# Altium PCB PCB.PcbDoc (part 2 of 4)
Units mm, origin at the board's own origin, x right, y up, seen from the top; angles counter-clockwise.
Board outline 100.83 x 35.45 mm, 6 copper layers (Top Layer, Mid Layer 1, Mid Layer 2, Mid Layer 3, Mid Layer 4, Bottom Layer), stack 1.032 mm thick; 283 components, 227 nets, 1174 pads, 1065 vias.
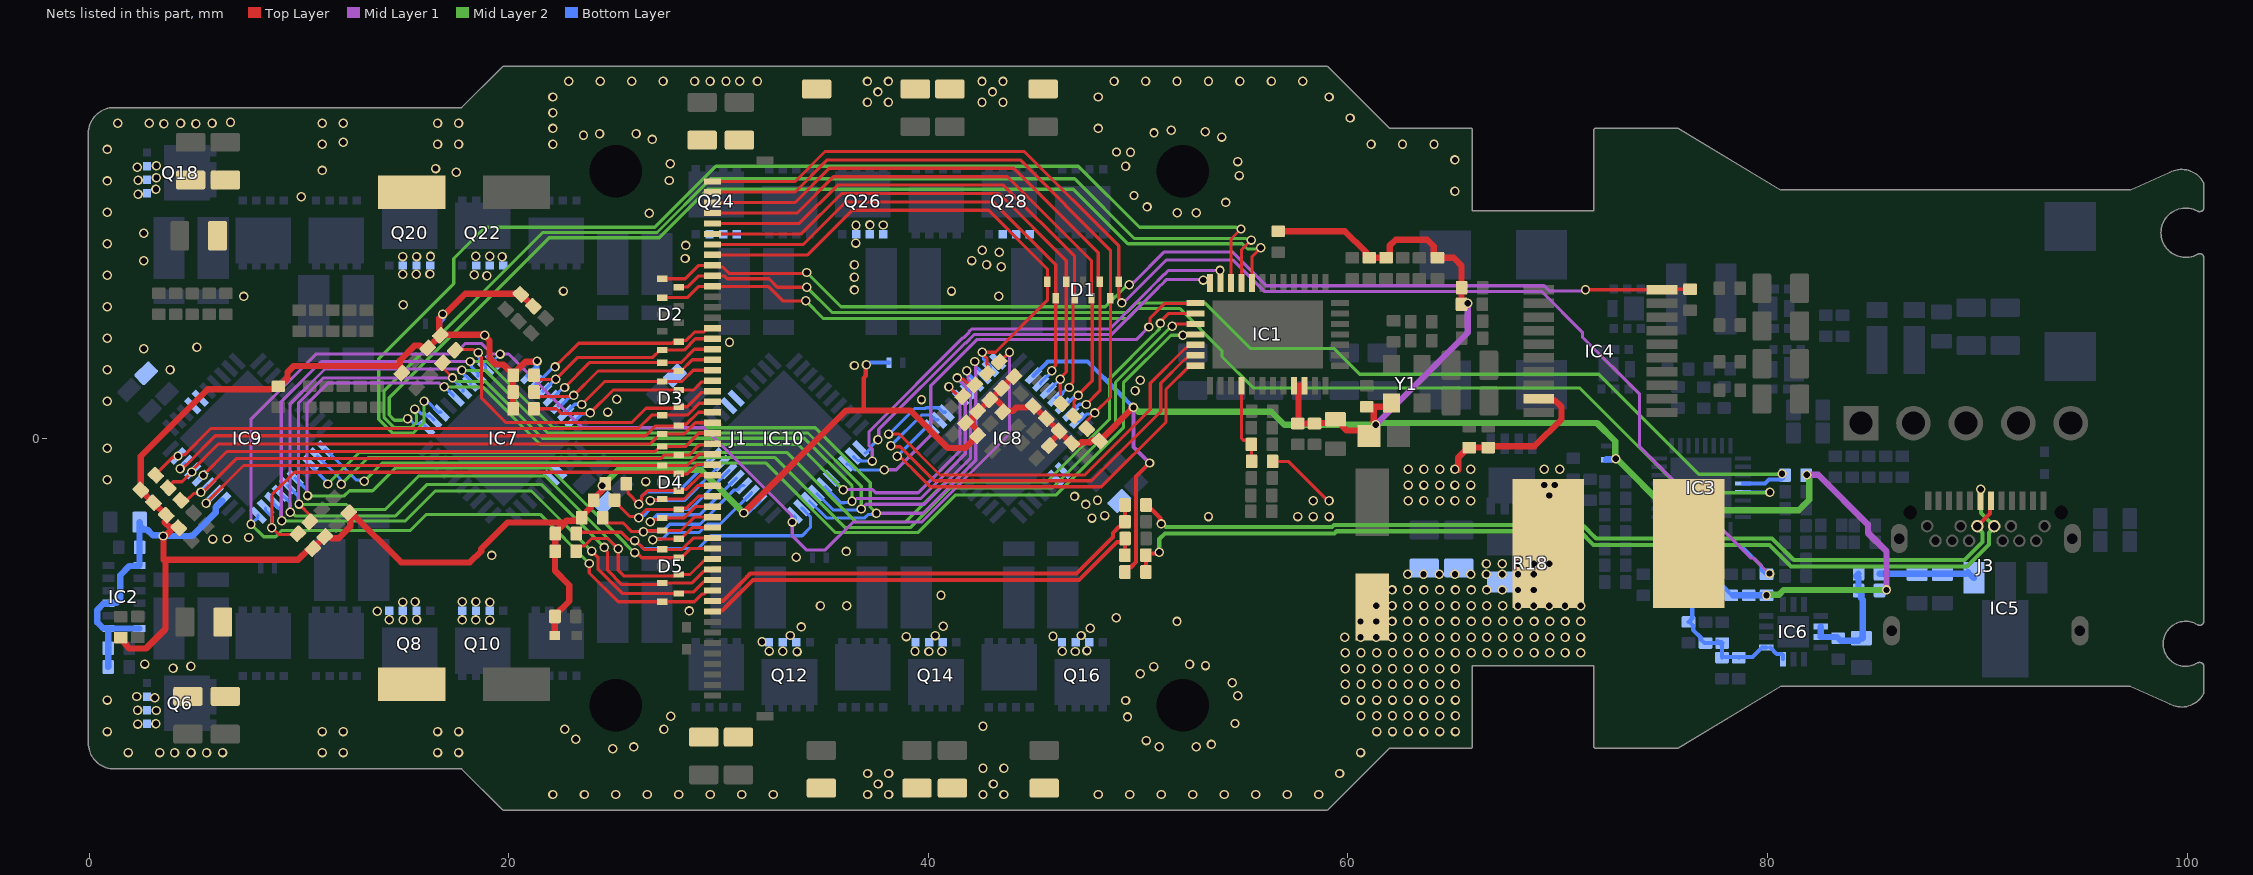
[diagram p6: the nets of this part, all layers, seen from the top]

## Via types
v1: diameter 0.45, hole 0.3, Top Layer to Bottom Layer, tented both sides, 1064 vias
v2: diameter 0.45, hole 0.3, Top Layer to Bottom Layer, tented top, 1 vias

## Nets (pads, with @x,y where several pads share a name; then routed paths per layer and width w, separated by ;. In a path a pad name is that pad's centre, name@x,y a point inside that pad or via, vN(x,y) a via of type N, cw(c..) or ccw(c..) an arc to the next point about the centre after c; other vN are vias at no path point)
+3V3: C4.2 C5.2 C6.2 C7.2 C8.2 C9.1 C11.2 C12.2 C13.2 C14.1 C76.2 C77.2 C84.2 C88.2 C92.2 C105.2 D8.1 FB2.1 FB3.1 FB4.1 FB5.1 IC1.28 IC1.29 IC2.1 IC2.3 IC2.7 IC2.12 IC6.3 IC6.4 IC7.33 IC8.33 IC9.33 IC10.33 R1.2 R2.2 R3.2 R14.2 R15.2 R27.2 R35.2 R36.2 R37.2 R38.2 R43.2 R44.2 R49.2 R51.2 R52.2 R53.2 R54.2 R57.2 R58.2 R59.2 R60.2 R61.2 R62.2 R67.2 R68.2 R69.2 R70.2 R71.2 R72.2 R73.2 R74.2 R79.2 R80.2 R81.2 R82.2 R83.2 R84.2 R95.2 R96.2 R97.2 R98.2 R99.2 R100.2 RT1.2 RT2.2 RT5.2 Y1.4 | length 238.4
  Top Layer w0.2: 36.913,1.325 36.913,2.877 37.013,2.977 37.013,3.471 v1(37.045,3.502) ; R54.2@49.368,-6.377 49.368,-6.327 49.543,-6.152 49.643,-6.152 49.893,-5.902 49.893,-1.826 50.537,-1.182 v1(50.54,-1.182)
  Top Layer w0.3: R15.2@1.495,-9.503 1.545,-9.503 1.67,-9.628 1.67,-9.743 1.73,-9.804 1.73,-9.844 1.909,-10.023 2.701,-10.023 3.628,-9.096 3.628,-5.789 ; R79.2@2.453,-2.468 2.453,-2.291 2.418,-2.256 2.453,-2.22 2.453,-0.864 5.649,2.331 8.655,2.331 8.681,2.358 8.88,2.358 C92.2@9.005,2.483 ; R79.2@2.453,-2.468 3.055,-3.069 R80.2@3.056,-3.069 R81.2@3.659,-3.67 ; v1(3.527,-4.659) 3.556,-4.631 3.654,-4.631 3.892,-4.392 ; 3.537,-5.789 v1@3.537,-4.669 ; 3.567,-5.789 9.945,-5.789 10.475,-5.259 R84.2@10.652,-5.259 ; R81.2@3.659,-3.67 3.694,-3.705 3.694,-3.882 3.579,-3.997 3.579,-3.999 3.85,-4.27 3.886,-4.235 4.226,-4.235 R82.2@4.261,-4.27 ; C92.2@9.055,2.483 9.444,2.872 9.444,3.154 9.73,3.439 14.77,3.439 14.895,3.314 FB2.1@14.895,3.106 14.931,3.142 FB2.1@14.931,3.318 ; R84.2@10.652,-5.259 R83.2@11.222,-4.688 ; R83.2@11.222,-4.688 11.257,-4.653 11.434,-4.653 11.549,-4.768 11.882,-4.768 12.443,-4.208 12.443,-3.875 12.325,-3.758 12.325,-3.581 FB4.1@12.361,-3.546 12.488,-3.546 14.861,-5.919 18.143,-5.919 18.677,-5.386 18.677,-5.276 19.9,-4.053 19.904,-4.053 19.942,-4.015 22.691,-4.015 ; 14.794,3.455 14.794,3.703 15.512,4.421 15.76,4.421 15.917,4.264 16.094,4.264 R61.2@16.129,4.299 ; R61.2@16.249,4.258 16.249,4.42 16.729,4.9 R62.2@16.729,4.902 R62.2@16.764,4.937 ; v1@18.839,4.9 18.839,4.881 19.078,4.642 19.078,3.807 19.371,3.514 19.738,3.514 R59.2@20.197,3.055 ; v1(18.849,4.911) 18.823,4.937 R62.2@16.764,4.937 ; R57.2@20.197,1.405 R58.2@20.197,2.205 R59.2@20.197,3.005 R59.2@20.197,3.055 ; C84.2@20.529,6.89 17.917,6.89 16.896,5.868 v1(16.846,5.918) 16.846,5.878 16.683,5.716 16.683,5.195 16.764,5.114 R62.2@16.764,4.937 ; C84.2@20.565,6.854 20.581,6.854 R60.2@21.148,6.288 ; v1(21.342,3.68) 21.313,3.651 20.793,3.651 R59.2@20.197,3.055 ; D8.1@22.175,-9.4 22.186,-9.389 22.186,-8.506 R14.2@22.197,-8.495 22.197,-8.445 22.879,-7.763 22.879,-7.003 22.203,-6.327 R99.2@22.203,-5.392 22.208,-5.387 22.208,-4.548 R100.2@22.214,-4.543 22.214,-4.493 22.745,-3.962 ; 22.745,-3.932 23.344,-3.932 23.469,-3.807 R97.2@23.469,-3.787 ; R97.2@23.469,-3.737 23.909,-3.297 23.909,-3.074 R96.2@24.034,-2.949 24.034,-2.899 24.474,-2.459 R95.2@24.474,-2.291 ; v1(24.449,-2.259) 24.507,-2.259 R95.2@24.599,-2.166 ; v1(31.202,-3.563) 36.09,1.325 36.913,1.325 39.135,1.325 40.925,-0.465 41.757,-0.465 42.383,0.161 42.383,0.338 42.106,0.616 42.106,0.968 ; FB3.1@41.767,0.736 41.825,0.736 R72.2@42.923,1.834 R72.2@43.072,1.983 ; R73.2@43.466,2.348 R73.2@43.502,2.384 43.086,1.968 43.583,1.471 C105.2@43.583,1.295 ; R73.2@43.487,2.398 44.022,2.933 R74.2@44.08,2.933 ; C105.2@43.548,1.259 C105.2@43.583,1.295 ; R70.2@44.961,1.569 44.784,1.569 44.683,1.467 44.188,1.467 44.015,1.295 C105.2@43.583,1.295 ; R70.2@44.996,1.533 45.027,1.533 R67.2@46.808,-0.248 ; FB5.1@45.755,-0.348 45.755,-0.238 R68.2@46.228,0.234 ; R67.2@46.839,-0.248 46.874,-0.283 47.193,-0.283 47.288,-0.189 47.452,-0.189 ; 47.543,-0.192 47.708,-0.192 47.802,-0.098 48.121,-0.098 C88.2@48.157,-0.133 49.758,1.468 v1(49.771,1.468) ; C5.2@56.676,9.871 59.853,9.871 60.84,8.884 60.84,8.728 R3.2@60.965,8.603 ; IC1.28@57.425,2.5 57.694,2.5 ; C7.2@57.605,0.703 C6.2@58.405,0.703 ; C7.2@57.64,0.703 57.64,2.215 IC1.29@57.81,2.385 ; IC1.29@57.925,2.225 57.925,2.269 IC1.29@57.81,2.385 ; C6.2@58.379,0.703 58.405,0.729 59.326,0.729 C8.2@59.469,0.872 ; C8.2@59.4,0.9 59.55,0.9 59.75,0.7 59.75,0.55 59.932,0.368 61.041,0.368 v1(61.318,0.646) ; C4.2@60.895,1.497 61.227,1.497 ; R3.2@61.015,8.603 R2.2@61.815,8.603 61.865,8.603 61.99,8.728 61.99,9.188 62.271,9.468 63.771,9.468 64.09,9.148 64.09,8.728 64.215,8.603 R1.2@64.265,8.603 65.036,8.603 65.412,8.227 65.412,6.385 R43.2@65.411,6.384 ; C9.1@61.073,0.23 61.318,0.475 v1(61.318,0.646) ; Y1.4@61.897,1.497 61.227,1.497 ; 57.694,2.5 IC1.29@57.81,2.385 ; 57.694,2.5 IC1.29@57.925,2.5 IC1.29@57.81,2.385 ; 61.227,1.497 61.233,1.491 61.233,0.771 61.318,0.686 v1(61.318,0.646)
  Mid Layer 1 w0.2: v1(49.771,1.468) 49.771,-0.412 v1(50.54,-1.182)
  Mid Layer 1 w0.3: v1(61.318,0.646) 65.71,5.037 v1(65.71,6.436) ; v1(81.87,-1.736) 82.411,-1.736 84.791,-4.115 84.791,-4.516 85.671,-5.395 v1(85.671,-7.232)
  Mid Layer 2 w0.3: v1(24.449,-2.259) 25.21,-1.498 29.136,-1.498 v1(31.202,-3.563) ; v1(49.771,1.468) 49.811,1.468 50.012,1.267 56.35,1.267 56.971,0.646 61.359,0.646 61.44,0.727 71.871,0.727 72.742,-0.144 72.742,-0.952 v1(72.771,-0.98) ; v1@72.804,-0.98 75.255,-3.432 81.49,-3.432 81.99,-2.931 81.99,-1.896 81.87,-1.776 v1(81.87,-1.736) ; v1(79.95,-7.49) 79.979,-7.461 80.546,-7.461 80.775,-7.232 v1(85.671,-7.232)
  Bottom Layer w0.2: v1(37.045,3.502) 37.112,3.502 37.225,3.615 38.1,3.615 38.115,3.6 RT1.2@38.125,3.6 ; IC8.33@45.007,2.972 45.007,2.978 45.691,3.662 47.577,3.662 49.071,2.168 v1(49.771,1.468) ; R38.2@76.592,-7.49 76.522,-7.49 R38.2@76.411,-7.601 ; R53.2@77.615,-9.764 76.99,-9.764 76.815,-9.589 76.815,-9.493 76.455,-9.133 76.455,-8.933 76.28,-8.758 R51.2@76.23,-8.758 76.236,-8.758 76.411,-8.583 R38.2@76.411,-7.601 ; R53.2@77.615,-9.763 77.615,-9.664 R53.2@77.665,-9.714 ; C76.2@77.83,-10.458 C76.2@77.835,-10.453 ; R37.2@78.35,-7.49 78.3,-7.49 77.82,-7.01 76.864,-7.01 76.675,-7.199 76.675,-7.315 76.4,-7.59 R38.2@76.411,-7.601 ; C77.2@78.63,-10.458 78.635,-10.453 C77.2@78.635,-10.435 ; IC6.4@79.935,-9.979 79.735,-9.979 79.279,-10.435 C77.2@78.635,-10.435 ; IC6.4@80.135,-9.979 80.435,-10.279 80.685,-10.279 80.735,-10.329 IC6.3@80.735,-10.529 ; R53.2@77.665,-9.714 77.79,-9.714 R53.2@77.84,-9.764 R53.2@77.778,-9.826 ; R53.2@77.665,-9.714 R53.2@77.778,-9.826 ; R53.2@77.778,-9.826 77.835,-9.883 C76.2@77.835,-10.453 ; C76.2@77.835,-10.453 77.853,-10.435 C77.2@78.635,-10.435
  Bottom Layer w0.3: C12.2@0.897,-10.905 0.904,-10.898 0.904,-10.005 0.904,-9.075 IC2.1@0.912,-9.068 ; IC2.12@2.388,-9.068 IC2.1@0.912,-9.068 ; IC9.33@6.348,-2.967 6.031,-3.284 6.031,-3.426 6.027,-3.43 6.027,-3.538 4.906,-4.659 v1(3.527,-4.659) 3.498,-4.631 3.031,-4.631 2.75,-4.35 2.6,-4.35 2.4,-4.15 C13.2@2.4,-4 2.394,-4.006 2.394,-6.062 IC2.7@2.388,-6.068 2.363,-6.092 1.911,-6.092 1.473,-6.53 1.473,-7.667 1.297,-7.843 0.937,-7.843 0.887,-7.893 0.67,-7.893 0.374,-8.189 0.374,-8.781 0.636,-9.043 0.887,-9.043 IC2.1@0.912,-9.068 ; RT2.2@16.671,5.468 16.671,5.543 16.817,5.689 16.817,5.889 v1(16.846,5.918) ; IC7.33@20.952,2.972 21.313,3.334 21.313,3.651 v1(21.342,3.68) ; v1(31.202,-3.563) 31.23,-3.534 31.339,-3.534 31.629,-3.244 31.629,-3.242 IC10.33@31.903,-2.967 ; RT5.2@72.3,-1.025 72.322,-1.003 72.748,-1.003 v1(72.771,-0.98) ; R37.2@78.35,-7.49 79.15,-7.49 v1(79.95,-7.49)
+5V: C80.2 C81.2 IC5.1 R50.2 | length 5.1
  Bottom Layer w0.3: R50.2@85.338,-6.456 85.34,-6.458 87.132,-6.458 C80.2@87.135,-6.461 88.1,-6.461 88.105,-6.456 88.33,-6.456 C81.2@88.335,-6.461 89.485,-6.461 89.554,-6.392 IC5.1@89.554,-6.38 ; IC5.1@89.554,-6.38 IC5.1@89.835,-6.661 IC5.1@89.554,-6.38
+FUSB: C74.2 C75.2 IC6.12 IC6.13 R49.1 R50.1 | length 5.9
  Bottom Layer w0.3: IC6.13@82.535,-9.479 IC6.12@82.535,-8.979 ; IC6.13@82.585,-9.479 83.315,-9.479 83.496,-9.66 84.343,-9.66 C74.2@84.471,-9.532 ; R49.1@84.246,-7.256 84.337,-7.165 84.337,-6.631 84.287,-6.581 84.212,-6.581 R50.1@84.337,-6.456 ; R49.1@84.337,-7.256 84.462,-7.381 84.462,-7.622 84.535,-7.695 C74.2@84.535,-9.532
BAT+: F1.1
BAT+_F: C1.1 C2.1 C27.2 C28.2 C33.1 C49.2 C50.2 C51.2 C52.2 C53.2 C54.2 C55.2 C56.2 C57.2 C61.2 C62.2 C63.2 C64.2 C65.2 C66.2 C67.2 C68.2 C69.2 C72.2 C86.1 C90.1 C94.1 C107.1 F1.2 IC4.9 IC7.4 IC7.5 IC8.4 IC8.5 IC9.4 IC9.5 IC10.4 IC10.5 Q6.1 Q6.2 Q6.3 Q8.1 Q8.2 Q8.3 Q10.1 Q10.2 Q10.3 Q12.1 Q12.2 Q12.3 Q14.1 Q14.2 Q14.3 Q16.1 Q16.2 Q16.3 Q18.1 Q18.2 Q18.3 Q20.1 Q20.2 Q20.3 Q22.1 Q22.2 Q22.3 Q24.1 Q24.2 Q24.3 Q26.1 Q26.2 Q26.3 Q28.1 Q28.2 Q28.3 R9.2 R18.2 R42.2 | length 11.5
  Top Layer w0.15: R9.2@56.403,-1.105 57.16,-1.105 v1@59.065,-3.01
  Top Layer w0.3: v1@65.26,-1.511 65.26,-0.917 65.733,-0.443 C72.2@65.783,-0.443 R42.2@66.683,-0.443 66.743,-0.383 68.887,-0.383 70.181,0.91 70.181,1.487 69.865,1.802 69.167,1.802 IC4.9@69.092,1.877
  other v1: 22.1,-16.983 23.6,-16.983 25.1,-16.983 26.6,-16.983 28.1,-16.983 29.6,-16.983 31.1,-16.983 32.6,-16.983 37.1,-16.983 38.1,-16.983 42.6,-16.983 43.6,-16.983 48.1,-16.983 49.6,-16.983 51.1,-16.983 52.6,-16.983 54.1,-16.983 55.6,-16.983 57.1,-16.983 58.6,-16.983 37.6,-16.483 43.1,-16.483 37.1,-15.983 38.1,-15.983 59.6,-15.983 42.6,-15.733 43.6,-15.733 1.85,-14.983 3.35,-14.983 4.064,-14.986 4.85,-14.983 5.588,-14.986 6.35,-14.983 11.1,-14.983 12.1,-14.983 16.6,-14.983 17.6,-14.983 60.6,-14.983 24.948,-14.798 25.953,-14.717 52.77,-14.714 50.998,-14.704 53.491,-14.595 50.38,-14.413 23.18,-14.346 0.85,-13.983 11.1,-13.983 12.1,-13.983 16.6,-13.983 17.6,-13.983 61.371,-13.982 62.121,-13.982 62.871,-13.982 63.621,-13.982 64.371,-13.982 65.121,-13.982 27.389,-13.879 22.668,-13.873 42.6,-13.733 2.307,-13.627 3.173,-13.614 54.614,-13.599 49.49,-13.285 27.721,-13.259 60.621,-13.232 61.371,-13.232 62.121,-13.232 62.871,-13.232 63.621,-13.232 64.371,-13.232 65.121,-13.232 2.3,-12.967 3.191,-12.98 0.85,-12.483 49.397,-12.502 59.871,-12.482 60.621,-12.482 61.371,-12.482 62.121,-12.482 62.871,-12.482 63.621,-12.482 64.371,-12.482 65.121,-12.482 3.118,-12.377 2.257,-12.311 54.749,-12.275 59.871,-11.732 60.621,-11.732 61.371,-11.732 62.121,-11.732 62.871,-11.732 63.621,-11.732 64.371,-11.732 65.121,-11.732 54.476,-11.661 50.1,-11.233 59.871,-10.982 60.621,-10.982 61.371,-10.982 62.121,-10.982 62.871,-10.982 63.621,-10.982 64.371,-10.982 65.121,-10.982 3.992,-10.958 50.747,-10.885 4.843,-10.87 53.208,-10.836 2.638,-10.765 52.447,-10.769 59.871,-10.232 60.621,-10.232 61.371,-10.232 62.121,-10.232 62.871,-10.232 63.621,-10.232 64.371,-10.232 65.121,-10.232 65.871,-10.232 66.621,-10.232 67.371,-10.232 68.121,-10.232 68.871,-10.232 69.621,-10.232 70.35,-10.233 71.1,-10.233 33.736,-10.169 32.407,-10.146 33.058,-10.153 39.36,-10.149 40.023,-10.166 40.628,-10.161 46.372,-10.156 47,-10.165 47.556,-10.122 32.066,-9.701 59.85,-9.483 60.6,-9.483 61.35,-9.483 62.1,-9.483 62.85,-9.483 63.621,-9.482 64.371,-9.482 65.121,-9.482 65.871,-9.482 66.621,-9.482 67.371,-9.482 68.121,-9.482 68.871,-9.482 69.621,-9.482 70.35,-9.483 71.087,-9.477 38.939,-9.453 45.937,-9.434 40.325,-9.405 33.407,-9.404 47.274,-9.403 47.711,-9.064 33.933,-8.995 40.71,-8.967 51.85,-8.733 60.6,-8.733 61.35,-8.733 62.1,-8.733 62.85,-8.733 63.621,-8.732 64.371,-8.732 65.121,-8.732 65.871,-8.732 66.621,-8.732 67.371,-8.732 68.121,-8.732 68.871,-8.732 69.621,-8.732 70.35,-8.733 71.1,-8.733 14.293,-8.656 14.953,-8.658 15.6,-8.656 17.774,-8.661 18.425,-8.663 19.09,-8.667 48.946,-8.552 13.729,-8.244 28.6,-8.233 34.85,-7.983 36.1,-7.983 61.35,-7.983 62.1,-7.983 62.85,-7.983 68.1,-7.983 68.85,-7.983 69.6,-7.983 70.35,-7.983 71.1,-7.983 63.621,-7.982 64.371,-7.982 65.121,-7.982 65.871,-7.982 66.621,-7.982 67.371,-7.982 14.937,-7.809 19.097,-7.815 15.526,-7.795 17.774,-7.791 18.43,-7.797 40.6,-7.483 62.1,-7.233 62.85,-7.233 63.621,-7.232 64.371,-7.232 65.121,-7.232 65.871,-7.232 66.621,-7.232 67.35,-7.233 68.1,-7.233 68.85,-7.233 62.85,-6.483 63.6,-6.483 64.35,-6.483 65.1,-6.483 65.85,-6.483 66.6,-6.483 67.35,-6.483 68.1,-6.483 68.85,-6.483 66.6,-5.983 67.35,-5.983 68.1,-5.983 68.85,-5.983 69.6,-5.983 33.702,-5.676 19.177,-5.588 36.084,-5.396 5.887,-4.807 6.57,-4.803 7.6,-4.733 47.797,-3.806 53.35,-3.733 57.6,-3.733 58.35,-3.733 59.1,-3.733 48.41,-3.686 47.493,-3.156 58.35,-2.983 59.1,-2.983 62.871,-2.982 63.621,-2.982 64.371,-2.982 65.1,-2.983 65.85,-2.983 48.06,-2.953 46.965,-2.773 69.6,-2.733 62.871,-2.232 63.621,-2.232 64.371,-2.232 65.1,-2.233 65.85,-2.233 69.35,-2.233 69.85,-2.233 26.525,-2.065 0.85,-1.983 62.871,-1.482 63.621,-1.482 64.371,-1.482 65.1,-1.483 65.85,-1.483 69.35,-1.483 70.1,-1.483 0.85,-0.483 24.707,1.247 0.85,1.767 39.67,1.844 25.146,1.854 49.85,2.267 50.1,2.767 0.85,3.267 3.85,3.267 36.471,3.468 2.6,4.267 5.127,4.332 30.516,4.574 0.85,4.767 0.85,6.267 14.966,6.362 7.355,6.761 43.35,6.767 22.6,7.017 41.1,7.017 36.471,7.068 36.471,7.668 18.953,7.752 0.85,7.767 18.346,7.787 14.939,7.824 15.583,7.824 16.236,7.828 43.471,8.168 36.471,8.268 42.771,8.268 2.6,8.466 42.071,8.468 28.4,8.567 14.943,8.662 15.6,8.662 16.262,8.666 18.425,8.677 19.674,8.656 19.091,8.682 43.371,8.868 42.571,8.968 28.43,9.189 0.85,9.267 36.538,9.305 2.6,9.767 36.548,10.153 37.211,10.167 37.842,10.164 26.687,10.726 51.861,10.753 52.77,10.75 0.85,10.767 50.421,11.027 54.169,11.239 10.1,11.517 49.798,11.572 2.322,11.637 65.1,11.767 3.174,11.872 0.85,12.267 27.642,12.286 2.322,12.301 3.2,12.419 54.817,12.521 17.495,12.682 11.1,12.767 16.504,12.855 2.288,12.92 49.397,12.962 3.197,12.993 27.69,13.089 54.749,13.189 65.1,13.267 49.632,13.627 48.966,13.644 0.85,13.767 11.1,14.017 16.6,14.017 17.6,14.017 22.1,14.017 61.1,14.017 62.6,14.017 64.1,14.017 12.107,14.117 26.836,14.244 53.978,14.357 23.556,14.437 24.323,14.519 26.061,14.516 50.753,14.554 53.195,14.615 51.578,14.681 22.1,14.767 48.1,14.767 3.556,14.986 5.08,14.986 1.35,15.017 2.85,15.017 4.35,15.017 5.85,15.017 11.1,15.017 12.1,15.017 16.6,15.017 17.6,15.017 6.73,15.062 60.1,15.267 22.1,15.517 37.092,16.01 38.092,16.01 42.553,16.01 43.553,16.01 22.1,16.267 48.1,16.267 59.1,16.267 37.592,16.51 43.053,16.51 37.092,17.01 38.092,17.01 42.553,17.01 43.553,17.01 22.85,17.017 24.35,17.017 25.85,17.017 27.35,17.017 28.85,17.017 29.591,17.018 30.35,17.017 31.011,17.022 31.85,17.017 48.85,17.017 50.35,17.017 51.85,17.017 53.35,17.017 54.85,17.017 56.35,17.017 57.85,17.017
BAT_ADC: IC1.23 R9.1 R13.2 | length 3.9
  Top Layer w0.15: IC1.23@54.925,2.5 54.925,-0.005 55.013,-0.093 55.197,-0.093 R13.2@55.397,-0.295 R13.2@55.397,-0.295 55.4,-0.297 55.4,-1.102 R9.1@55.402,-1.105
BMS_CHRG_OK: D2.9 IC3.4 J1.10 R27.1 | length 59.6
  Top Layer w0.15: D2.9@28.105,7.202 28.505,7.202 29.043,7.74 J1.10@29.705,7.74 30.26,7.74 30.4,7.6 32.4,7.6 32.8,7.2 v1(34.2,7.2)
  Mid Layer 2 w0.15: v1(34.2,7.2) 35.4,6 49.445,6 49.888,6.443 53.196,6.443 55.365,4.273 59.343,4.273 60.564,3.053 71.959,3.053 76.726,-1.713 80.666,-1.713 v1(80.693,-1.686)
  Bottom Layer w0.2: IC3.4@78.835,-2.161 79.883,-2.161 80.071,-1.973 80.66,-1.973 80.728,-1.904 R27.1@80.728,-1.651 ; v1(80.693,-1.686) R27.1@80.728,-1.651 ; R27.1@80.835,-1.761 80.835,-1.757 R27.1@80.728,-1.651
BMS_OTG/VAP: D2.2 IC3.5 J1.11 | length 59
  Top Layer w0.15: D2.2@27.305,6.702 28.505,6.702 29.043,7.24 J1.11@29.705,7.24 32.36,7.24 33.051,6.55 v1@34.145,6.55
  Mid Layer 2 w0.15: v1(34.148,6.552) 35,5.7 49.499,5.7 49.992,6.193 51.973,6.193 53.987,4.179 53.987,3.894 55.481,2.4 71.039,2.4 76.039,-2.6 80.091,-2.6 v1(80.114,-2.577)
  Bottom Layer w0.15: IC3.5@78.835,-2.561 78.843,-2.569 80.106,-2.569 v1(80.114,-2.577)
BMS_PROCHOT: D1.1 IC3.11 J1.1 R35.1 | length 68
  Top Layer w0.15: J1.1@29.705,12.24 33.643,12.24 35.071,13.668 44.571,13.668 49.071,9.168 49.071,7.569 D1.1@49.071,7.468 ; D1.1@49.071,7.494 49.071,6.681 49.22,6.531 v1(49.22,6.45)
  Mid Layer 1 w0.15: v1(49.22,6.45) 49.3,6.45 51.351,8.501 54.5,8.501 56,7 69.226,7 71.176,5.05 71.176,4.825 73.9,2.1 73.9,-0.4 79.215,-5.715 79.336,-5.715 80.071,-6.45 v1(80.097,-6.45)
  Bottom Layer w0.15: IC3.11@77.435,-4.361 77.46,-4.386 77.46,-4.709 77.821,-5.07 78.696,-5.07 79.7,-6.074 79.7,-6.289 79.9,-6.489 R35.1@79.95,-6.489 79.99,-6.45 v1(80.097,-6.45)
CB_ALERT: D2.1 IC4.20 J1.9 R48.2 | length 52
  Top Layer w0.15: D2.1@27.305,7.602 28.405,7.602 29.043,8.24 J1.9@29.705,8.24 29.78,8.165 30.188,8.165 30.504,7.85 34.15,7.85 v1(34.2,7.9) ; v1(71.321,7.08) 74.966,7.08 IC4.20@74.968,7.077 ; IC4.20@74.994,7.103 R48.2@76.305,7.103
  Mid Layer 1 w0.15: v1(49.571,7.322) 49.652,7.322 49.763,7.433 49.796,7.433 51.25,8.886 54.48,8.886 56.1,7.267 69.35,7.267 69.594,7.022 71.264,7.022 v1(71.321,7.08)
  Mid Layer 2 w0.15: v1(34.2,7.9) 35.833,6.267 48.436,6.267 49.491,7.322 v1(49.571,7.322)
CONN_D_N: J3.A7 J3.B7 R56.1 | length 43.9
  Top Layer w0.2: R56.1@50.371,-3.182 50.371,-3.232 50.546,-3.407 50.659,-3.407 51.049,-3.797 51.049,-4.038 v1(51.097,-4.086) v1@51.129,-4.053 ; J3.B7@90.005,-4.19 90.605,-3.59 J3.A7@90.605,-3.03
  Mid Layer 2 w0.2: v1(51.097,-4.086) 51.165,-4.086 51.313,-4.234 59.235,-4.234 59.335,-4.134 71.185,-4.134 71.273,-4.222 71.711,-4.659 71.832,-4.781 80.22,-4.781 81.25,-5.811 89.391,-5.811 90.254,-4.948 90.254,-4.507 90.005,-4.258 J3.B7@90.005,-4.19
CONN_D_P: J3.A6 J3.B6 R54.1 R55.1 | length 45.9
  Top Layer w0.2: R54.1@50.368,-6.377 R55.1@50.368,-5.577 50.455,-5.49 50.956,-5.49 v1(51.004,-5.442)
  Mid Layer 2 w0.2: v1@51.05,-5.351 51.028,-5.351 51.004,-5.327 51.004,-4.808 51.276,-4.536 59.36,-4.536 59.46,-4.435 71.06,-4.435 71.708,-5.083 80.095,-5.083 81.125,-6.113 89.516,-6.113 90.555,-5.073 90.555,-4.507 90.805,-4.258 J3.B6@90.805,-4.19 90.171,-3.556 90.171,-2.433 v1(90.169,-2.431)
  Bottom Layer w0.2: v1(90.169,-2.431) v1@90.171,-2.433
D_N: D6.1 J1.41 R56.2 | length 22.2
  Top Layer w0.2: J1.41@29.705,-7.76 29.715,-7.75 30.21,-7.75 30.278,-7.682 31.329,-6.631 31.506,-6.454 47.053,-6.454 48.791,-4.716 48.791,-4.513 49.097,-4.207 49.195,-4.207 D6.1@49.37,-4.032 ; D6.1@49.37,-3.982 D6.1@49.37,-4.032 ; R56.2@49.37,-3.182 D6.1@49.37,-4.032
D_P: D7.1 J1.42 R55.2 | length 21.9
  Top Layer w0.2: J1.42@29.705,-8.26 29.755,-8.21 30.177,-8.21 30.403,-7.984 31.631,-6.756 47.177,-6.756 48.982,-4.952 49.212,-4.952 D7.1@49.37,-4.793 ; D7.1@49.373,-4.782 49.37,-4.784 R55.2@49.37,-5.574 ; R55.2@49.37,-5.574 R55.2@49.368,-5.577 R55.2@49.37,-5.574
ESC_CLK: D5.6 IC7.28 IC8.28 IC9.28 IC10.28 J1.39 | length 79.3
  Top Layer w0.15: v1@23.944,-5.386 24.253,-5.696 24.253,-6.245 25.405,-7.398 D5.6@28.105,-7.398 28.18,-7.323 28.81,-7.323 29.298,-6.835 29.63,-6.835 J1.39@29.705,-6.76
  Mid Layer 1 w0.15: v1@9.148,-3.916 9.148,1.745 11.063,3.66 v1(18.149,3.659) ; v1(37.522,-3.573) 39.737,-3.573 42.255,-1.055 42.255,3.069 42.255,3.608 v1(42.204,3.659)
  Mid Layer 2 w0.15: v1(9.168,-3.936) 9.185,-3.953 15.05,-3.953 16.491,-2.512 21.076,-2.512 v1(23.944,-5.38) ; v1(18.149,3.659) v1(18.149,3.659) 18.713,3.658 18.715,3.659 18.941,3.659 22.1,0.5 34.609,0.5 37.228,-2.119 37.228,-3.278 v1(37.522,-3.573)
  Bottom Layer w0.15: IC9.28@8.752,-2.967 8.752,-3.074 9.148,-3.47 9.148,-3.916 v1(9.168,-3.936) ; v1(18.149,3.659) 18.206,3.602 18.206,3.42 18.526,3.1 IC7.28@18.526,2.947 ; IC10.28@34.329,-2.989 35.138,-3.798 36.972,-3.798 37.139,-3.63 37.465,-3.63 v1(37.522,-3.573) ; v1(42.204,3.659) 42.262,3.602 42.262,3.42 42.581,3.1 IC8.28@42.581,2.947
ESC_ENABLE: D5.5 IC7.30 IC8.30 IC9.30 IC10.30 J1.40 R74.1 | length 81.2
  Top Layer w0.15: v1(23.828,-5.973) 23.83,-5.975 23.83,-6.423 25.205,-7.798 D5.5@27.305,-7.798 28.835,-7.798 29.2,-7.433 29.292,-7.433 29.38,-7.345 29.38,-7.335 29.455,-7.26 J1.40@29.705,-7.26 ; R74.1@43.373,3.64 43.388,3.64 43.85,4.102 v1(43.865,4.102)
  Mid Layer 1 w0.15: v1(7.705,-4.098) 7.705,0.902 10.817,4.014 17.414,4.014 17.908,4.508 18.713,4.508 19.207,4.014 v1(19.578,4.014) 19.986,4.014 23.503,0.497 29.303,0.497 33.483,-3.683 33.483,-3.976 v1(33.505,-3.998) 33.505,-4.655 34.171,-5.32 35.079,-5.32 36.401,-3.998 39.666,-3.998 43.865,0.201 v1(43.865,4.102)
  Mid Layer 2 w0.15: v1(7.705,-4.098) 8.305,-4.698 8.878,-4.698 9.175,-4.4 15.303,-4.4 16.071,-3.632 21.487,-3.632 v1(23.828,-5.973)
  Bottom Layer w0.15: v1(7.705,-4.098) 8.045,-3.758 IC9.30@8.045,-3.675 ; IC7.30@19.244,3.727 19.291,3.727 v1(19.578,4.014) ; v1(33.505,-3.998) 33.661,-3.842 33.661,-3.772 IC10.30@33.611,-3.722 ; IC8.30@43.299,3.727 43.36,3.667 43.429,3.667 v1(43.865,4.102)
ESC_INHA_A: D2.6 IC7.34 J1.15 | length 9.4
  Top Layer w0.15: v1(22.2,3.4) 23.327,4.527 27.778,4.527 D2.6@27.929,4.679 ; D2.6@28.105,4.602 28.168,4.665 28.461,4.665 28.862,5.065 29.292,5.065 29.38,5.153 29.38,5.165 29.455,5.24 J1.15@29.705,5.24
  Bottom Layer w0.15: IC7.34@21.283,2.593 21.337,2.593 22.143,3.4 v1(22.2,3.4)
ESC_INHA_B: D1.6 IC8.34 J1.7 | length 24.4
  Top Layer w0.15: J1.7@29.705,9.24 34.043,9.24 36.071,11.268 43.071,11.268 46.071,8.268 D1.6@46.071,6.668 46.071,3.486 45.878,3.293 v1(45.878,3.212)
  Bottom Layer w0.15: IC8.34@45.339,2.593 45.339,2.635 45.342,2.638 45.878,3.173 v1(45.878,3.212)
ESC_INHA_C: D4.2 IC9.34 J1.27 | length 25.8
  Top Layer w0.15: v1(5.566,-3.101) 5.566,-3.081 7.349,-1.298 D4.2@27.305,-1.298 28.505,-1.298 29.043,-0.76 J1.27@29.705,-0.76
  Bottom Layer w0.15: v1(5.566,-3.101) 5.566,-3.072 5.994,-2.643 IC9.34@5.994,-2.614
ESC_INHA_D: D5.9 IC10.34 J1.34 | length 8.7
  Top Layer w0.15: v1(26.852,-4.832) 26.887,-4.798 28.205,-4.798 28.743,-4.26 J1.34@29.705,-4.26
  Bottom Layer w0.15: v1(26.852,-4.832) 26.875,-4.81 27.302,-4.81 27.617,-4.495 29.068,-4.495 29.465,-4.098 30.066,-4.098 IC10.34@31.572,-2.592
ESC_INHB_A: D3.1 IC7.36 J1.17 | length 8.7
  Top Layer w0.15: v1(22.655,2.419) 23.838,3.602 D3.1@27.305,3.602 28.205,3.602 28.843,4.24 J1.17@29.705,4.24
  Bottom Layer w0.15: IC7.36@22.012,1.912 22.08,1.912 22.588,2.419 v1(22.655,2.419)
ESC_INHB_B: D1.7 IC8.36 J1.5 | length 26.6
  Top Layer w0.15: J1.5@29.705,10.24 33.843,10.24 35.671,12.068 43.571,12.068 46.971,8.668 D1.7@46.971,6.668 46.896,6.593 46.896,6.415 46.886,6.405 46.886,2.676 46.711,2.501 v1(46.711,2.419)
  Bottom Layer w0.15: IC8.36@46.068,1.912 46.136,1.912 46.643,2.419 v1(46.711,2.419)
ESC_INHB_C: D4.1 IC9.36 J1.25 | length 25.3
  Top Layer w0.15: v1(5.432,-1.762) 6.559,-0.635 26.968,-0.635 27.205,-0.398 28.405,-0.398 29.043,0.24 J1.25@29.705,0.24
  Bottom Layer w0.15: IC9.36@5.287,-1.907 v1(5.432,-1.762)
ESC_INHB_D: D4.5 IC10.36 J1.32 | length 8.2
  Top Layer w0.15: v1(26.734,-3.982) 26.815,-3.982 26.925,-3.873 27.23,-3.873 D4.5@27.305,-3.798 28.353,-3.798 28.891,-3.26 J1.32@29.705,-3.26
  Bottom Layer w0.15: v1(26.734,-3.982) 27.069,-3.648 29.102,-3.648 IC10.36@30.843,-1.907
ESC_INHC_A: D3.2 IC7.38 J1.19 | length 7.9
  Top Layer w0.15: v1(23.467,1.609) 24.561,2.702 D3.2@27.305,2.702 28.253,2.702 28.791,3.24 J1.19@29.705,3.24
  Bottom Layer w0.15: IC7.38@22.697,1.179 23.137,1.619 23.457,1.619 v1(23.467,1.609)
ESC_INHC_B: D1.2 IC8.38 J1.3 | length 29.2
  Top Layer w0.15: J1.3@29.705,11.24 33.643,11.24 35.271,12.868 44.071,12.868 48.096,8.843 48.096,7.543 D1.2@48.171,7.468 48.171,2.256 v1(47.523,1.609)
  Bottom Layer w0.15: IC8.38@46.753,1.179 47.193,1.619 47.513,1.619 v1@47.523,1.609
ESC_INHC_C: D3.6 IC9.38 J1.23 | length 26.9
  Top Layer w0.15: v1(4.323,-1.456) 4.404,-1.456 4.519,-1.341 4.544,-1.341 4.701,-1.184 ; 4.702,-1.184 6.003,0.117 26.517,0.117 26.988,0.588 28.091,0.588 D3.6@28.105,0.602 ; D3.6@28.109,0.599 28.175,0.665 28.461,0.665 29.037,1.24 J1.23@29.705,1.24
  Bottom Layer w0.15: v1(4.323,-1.456) IC9.38@4.58,-1.2
ESC_INHC_D: D4.4 IC10.38 J1.30 | length 7.4
  Top Layer w0.15: v1(26.739,-2.973) 26.777,-2.935 27.268,-2.935 D4.4@27.305,-2.898 28.353,-2.898 28.991,-2.26 J1.30@29.705,-2.26
  Bottom Layer w0.15: v1(26.739,-2.973) 28.363,-2.973 IC10.38@30.158,-1.178
ESC_INLA_A: D2.5 IC7.35 J1.16 R59.1 | length 10.2
  Top Layer w0.15: R59.1@21.198,3.005 21.395,2.808 22.227,2.808 v1(22.229,2.806) ; v1@22.21,2.789 22.21,2.787 v1(22.229,2.806) ; J1.16@29.705,4.74 28.891,4.74 28.353,4.202 D2.5@27.305,4.202 27.205,4.202 26.855,3.852 23.276,3.852 v1(22.229,2.806)
  Bottom Layer w0.15: IC7.35@21.637,2.24 21.648,2.24 21.666,2.258 22.214,2.806 v1(22.229,2.806)
ESC_INLA_B: D1.4 IC8.35 J1.6 R69.1 | length 26.8
  Top Layer w0.15: J1.6@29.705,9.74 33.943,9.74 35.871,11.668 43.371,11.668 46.571,8.468 D1.4@46.571,7.468 46.571,3.157 46.285,2.871 v1(46.285,2.806) 46.285,2.244 46.29,2.24 46.29,1.68 R69.1@46.325,1.644
  Bottom Layer w0.15: IC8.35@45.693,2.24 45.704,2.24 46.27,2.806 v1(46.285,2.806)
ESC_INLA_C: D4.9 IC9.35 J1.26 R81.1 | length 26.9
  Top Layer w0.15: R81.1@4.366,-2.962 4.642,-2.962 4.966,-2.638 5.263,-2.638 v1(5.32,-2.581) 5.399,-2.581 7.007,-0.973 27.23,-0.973 27.405,-0.798 D4.9@28.105,-0.798 28.599,-0.798 29.08,-0.317 29.648,-0.317 J1.26@29.705,-0.26
  Bottom Layer w0.15: v1(5.32,-2.581) IC9.35@5.64,-2.26
ESC_INLA_D: D5.1 IC10.35 J1.33 R97.1 | length 11.6
  Top Layer w0.15: R97.1@24.469,-3.787 24.469,-3.834 24.669,-4.034 25.438,-4.034 25.856,-4.452 26.406,-4.452 v1(26.414,-4.46) ; v1@26.414,-4.533 26.539,-4.407 27.196,-4.407 27.205,-4.398 28.205,-4.398 28.843,-3.76 J1.33@29.705,-3.76
  Bottom Layer w0.15: v1(26.414,-4.46) 26.466,-4.407 27.351,-4.407 27.66,-4.098 29.111,-4.098 30.745,-2.464 30.869,-2.464 30.878,-2.472 31.09,-2.26 IC10.35@31.196,-2.26
ESC_INLB_A: D3.9 IC7.37 J1.18 R58.1 | length 10.3
  Top Layer w0.15: R58.1@21.198,2.205 21.198,2.194 21.398,1.994 v1@23.041,1.994 ; v1(23.088,2.041) v1@23.041,1.994 ; J1.18@29.705,3.74 28.743,3.74 28.205,3.202 D3.9@28.105,3.202 24.249,3.202 v1@23.041,1.994
  Bottom Layer w0.15: IC7.37@22.344,1.533 22.445,1.533 22.895,1.983 23.03,1.983 v1(23.088,2.041)
ESC_INLB_B: D1.8 IC8.37 J1.4 R68.1 | length 29.2
  Top Layer w0.15: J1.4@29.705,10.74 33.743,10.74 35.471,12.468 43.771,12.468 47.771,8.468 D1.8@47.771,6.668 47.811,6.628 47.811,2.735 47.144,2.068 v1(47.144,2.041) 47.144,1.96 46.936,1.752 46.936,1.405 46.9,1.37 46.9,1.087 R68.1@46.936,1.052
  Bottom Layer w0.15: IC8.37@46.4,1.533 46.5,1.533 46.951,1.983 47.086,1.983 v1(47.144,2.041)
ESC_INLB_C: D3.5 IC9.37 J1.24 R80.1 | length 27.4
  Top Layer w0.15: R80.1@3.763,-2.361 3.739,-2.337 4.003,-2.073 4.414,-2.073 v1(4.877,-1.609) ; v1@4.85,-1.609 4.85,-1.58 6.153,-0.276 26.727,-0.276 26.856,-0.147 27.205,0.202 D3.5@27.305,0.202 28.353,0.202 28.891,0.74 J1.24@29.705,0.74
  Bottom Layer w0.15: v1(4.877,-1.609) IC9.37@4.933,-1.553
ESC_INLB_D: D4.6 IC10.37 J1.31 R96.1 | length 10.8
  Top Layer w0.15: R96.1@25.035,-2.949 25.035,-2.999 25.769,-3.734 26.135,-3.734 v1(26.192,-3.791) ; v1@26.192,-3.837 26.192,-3.747 26.541,-3.398 D4.6@28.105,-3.398 28.168,-3.335 28.461,-3.335 29.037,-2.76 J1.31@29.705,-2.76
  Bottom Layer w0.15: v1(26.192,-3.791) 26.273,-3.791 26.375,-3.689 26.426,-3.689 26.718,-3.398 28.645,-3.398 IC10.37@30.511,-1.531
ESC_INLC_A: D3.8 IC7.39 J1.20 R57.1 | length 10.3
  Top Layer w0.15: R57.1@21.198,1.405 22.271,1.405 ; 22.21,1.405 22.271,1.405 ; J1.20@29.705,2.74 29.651,2.687 29.19,2.687 28.805,2.302 D3.8@28.105,2.302 24.974,2.302 v1(23.878,1.207) 23.855,1.184 22.493,1.184 22.271,1.405
  Bottom Layer w0.15: IC7.39@23.051,0.826 23.154,0.826 23.477,1.149 23.821,1.149 v1(23.878,1.207)
ESC_INLC_B: D1.9 IC8.39 J1.2 R67.1 | length 31.4
  Top Layer w0.15: J1.2@29.705,11.74 33.643,11.74 35.171,13.268 44.371,13.268 48.671,8.968 D1.9@48.671,6.668 48.671,1.943 v1(47.934,1.207) 47.546,0.819 47.546,0.813 47.511,0.778 47.511,0.495 R67.1@47.546,0.459
  Bottom Layer w0.15: IC8.39@47.107,0.826 47.21,0.826 47.533,1.149 47.877,1.149 v1(47.934,1.207)
ESC_INLC_C: D3.4 IC9.39 J1.22 R79.1 | length 28
  Top Layer w0.15: R79.1@3.161,-1.761 3.136,-1.736 3.968,-0.904 v1@4.169,-0.904 ; v1(4.226,-0.846) 4.269,-0.803 4.52,-0.803 5.788,0.465 26.168,0.465 26.805,1.102 D3.4@27.305,1.102 28.511,1.102 29.08,1.671 29.635,1.671 J1.22@29.705,1.74
ESC_INLC_D: D4.7 IC10.39 J1.29 R95.1 | length 10.2
  Top Layer w0.15: R95.1@25.6,-2.166 25.683,-2.25 25.683,-2.628 v1@26.196,-3.141 ; v1(26.191,-3.146) 26.191,-3.065 26.314,-2.942 26.314,-2.797 26.613,-2.498 D4.7@28.105,-2.498 28.168,-2.435 28.461,-2.435 29.132,-1.765 29.7,-1.765 J1.29@29.705,-1.76
  Bottom Layer w0.15: v1(26.191,-3.146) 26.191,-3.065 26.314,-2.942 26.314,-2.797 26.563,-2.548 28.081,-2.548 28.674,-1.954 IC10.39@29.804,-0.824
ESC_NFAULT: D5.8 IC7.25 IC8.25 IC9.25 IC10.25 J1.36 R71.1 | length 67.8
  Top Layer w0.15: v1(26.005,-5.452) 26.086,-5.452 26.332,-5.698 28.205,-5.698 28.355,-5.548 ; 28.356,-5.548 28.644,-5.26 J1.36@29.705,-5.26 ; v1(40.976,2.454) 41.438,1.993 R71.1@41.638,1.993
  Mid Layer 1 w0.15: v1@10.384,-2.713 10.384,1.651 11.361,2.629 16.683,2.629 16.858,2.454 v1(16.921,2.454) ; v1(35.934,-2.449) 37.341,-2.449 37.49,-2.598 39.505,-2.598 41.505,-0.598 41.505,1.925 v1(40.976,2.454)
  Mid Layer 2 w0.15: v1(10.402,-2.732) 10.421,-2.75 12.15,-2.75 12.4,-2.5 13.503,-2.5 14.58,-1.423 15.727,-1.423 21.961,-1.423 25.574,-5.035 25.574,-5.053 25.973,-5.452 v1(26.005,-5.452) ; v1(16.921,2.454) 16.924,2.451 18.749,2.451 21.5,-0.3 33.785,-0.3 v1(35.934,-2.449)
  Bottom Layer w0.15: IC9.25@9.812,-1.907 10.345,-2.439 10.345,-2.674 v1(10.402,-2.732) ; v1(16.921,2.454) 16.933,2.454 17.366,2.02 IC7.25@17.366,2.009 ; IC10.25@35.489,-2.004 35.489,-2.016 35.922,-2.449 v1(35.934,-2.449) ; v1(40.976,2.454) 40.988,2.454 IC8.25@41.422,2.02
ESC_NSCS_A: D3.7 IC7.29 J1.21 R62.1 | length 16.4
  Top Layer w0.15: R62.1@17.436,4.195 17.471,4.23 18.309,4.23 18.456,4.083 v1(18.537,4.083) 18.537,4.008 18.7,3.845 18.7,1.9 19.848,0.752 25.863,0.752 26.538,1.427 27.843,1.427 27.93,1.427 28.005,1.502 28.505,1.502 29.19,2.187 29.651,2.187 J1.21@29.705,2.24
  Bottom Layer w0.15: v1(18.537,4.083) 18.595,4.026 18.595,3.738 18.879,3.454 IC7.29@18.879,3.3
ESC_NSCS_B: D1.5 IC8.29 J1.8 R73.1 | length 25.7
  Top Layer w0.15: J1.8@29.705,8.74 34.243,8.74 36.371,10.868 42.871,10.868 45.671,8.068 D1.5@45.671,7.468 45.671,6.575 43.198,4.102 v1(42.571,4.102) 42.571,4.021 42.796,3.796 42.796,3.51 42.83,3.476 42.83,3.126 R73.1@42.794,3.091
  Bottom Layer w0.15: v1(42.571,4.102) 42.628,4.045 42.628,3.76 42.957,3.432 IC8.29@42.957,3.326
ESC_NSCS_C: D4.8 IC9.29 J1.28 R84.1 | length 25.7
  Top Layer w0.15: R84.1@9.945,-4.552 9.909,-4.587 9.024,-4.587 8.709,-4.273 v1(8.702,-4.273) 8.702,-2.701 9.78,-1.623 27.843,-1.623 27.93,-1.623 28.005,-1.698 28.505,-1.698 28.943,-1.26 J1.28@29.705,-1.26
  Bottom Layer w0.15: IC9.29@8.398,-3.321 8.398,-3.427 8.702,-3.731 v1(8.702,-4.273)
ESC_NSCS_D: D5.2 IC10.29 J1.35 R100.1 | length 17.1
  Top Layer w0.15: R100.1@23.214,-4.543 23.277,-4.48 25.354,-4.48 25.706,-4.833 25.923,-4.833 25.967,-4.877 26.031,-4.877 26.452,-5.298 28.253,-5.298 28.791,-4.76 J1.35@29.705,-4.76
  Bottom Layer w0.15: v1(25.999,-4.877) 26.031,-4.877 26.412,-5.257 29.02,-5.257 29.63,-4.648 33.979,-4.648 34.379,-4.247 34.379,-3.746 IC10.29@33.954,-3.321
ESC_SDI: D5.4 IC7.27 IC8.27 IC9.27 IC10.27 J1.38 | length 75.7
  Top Layer w0.15: v1(24.541,-5.204) 24.541,-5.277 24.705,-5.442 24.705,-6.298 25.386,-6.978 27.043,-6.978 27.048,-6.973 27.23,-6.973 D5.4@27.305,-6.898 28.735,-6.898 29.298,-6.335 29.63,-6.335 J1.38@29.705,-6.26
  Mid Layer 1 w0.15: v1@9.571,-3.526 9.571,1.638 11.233,3.301 v1@17.614,3.301 ; v1(36.796,-3.373) 36.809,-3.373 37.034,-3.148 39.809,-3.148 42.005,-0.951 42.005,2.696 41.885,2.816 41.885,3.163 v1(41.828,3.221)
  Mid Layer 2 w0.15: v1(9.573,-3.528) 9.636,-3.528 9.811,-3.703 14.6,-3.703 16.103,-2.2 21.536,-2.2 v1(24.541,-5.204) ; v1@17.614,3.301 17.68,3.235 v1(17.761,3.235) ; v1(17.761,3.235) 18.866,3.234 21.85,0.25 34.259,0.25 36.796,-2.287 v1(36.796,-3.373)
  Bottom Layer w0.15: IC9.27@9.105,-2.614 9.571,-3.079 9.571,-3.526 v1(9.573,-3.528) ; v1(17.761,3.235) 17.761,3.153 18.172,2.742 IC7.27@18.172,2.593 ; IC10.27@34.683,-2.636 35.475,-3.428 36.74,-3.428 v1(36.796,-3.373) ; v1(41.828,3.221) 41.828,3.14 42.228,2.739 IC8.27@42.228,2.641
ESC_SDO: D5.7 IC7.26 IC8.26 IC9.26 IC10.26 J1.37 R61.1 R72.1 R83.1 R99.1 | length 77.9
  Top Layer w0.15: v1@9.998,-3.14 10.545,-3.687 R83.1@10.545,-3.952 ; R61.1@16.837,3.592 16.837,3.372 17.312,2.896 v1(17.312,2.876) ; R99.1@23.203,-5.393 23.203,-5.343 23.403,-5.143 23.581,-5.143 23.944,-4.779 24.717,-4.779 v1(25.21,-5.273) 25.21,-6.298 25.474,-6.562 28.041,-6.562 D5.7@28.105,-6.498 28.636,-6.498 29.299,-5.835 29.63,-5.835 J1.37@29.705,-5.76 ; v1(41.368,2.876) 41.425,2.818 41.664,2.818 41.94,2.542 R72.1@42.216,2.542
  Mid Layer 1 w0.15: v1@9.977,-3.12 9.977,1.691 11.165,2.879 v1@17.308,2.879 ; v1(36.355,-3.003) 36.437,-3.003 36.569,-2.87 39.632,-2.87 41.755,-0.748 41.755,2.488 v1(41.368,2.876)
  Mid Layer 2 w0.15: v1(9.996,-3.138) 10.014,-3.157 12.257,-3.157 12.5,-3.4 14.103,-3.4 15.703,-1.8 21.737,-1.8 24.966,-5.028 24.966,-5.035 25.203,-5.273 v1(25.21,-5.273) ; v1@17.308,2.879 v1(17.312,2.876) 17.393,2.876 17.568,2.701 18.899,2.701 21.6,0 34.086,0 36.359,-2.273 36.359,-2.625 36.355,-2.629 v1(36.355,-3.003)
  Bottom Layer w0.15: IC9.26@9.459,-2.26 9.938,-2.74 9.938,-3.081 v1(9.996,-3.138) ; v1(17.312,2.876) 17.312,2.835 17.818,2.328 IC7.26@17.818,2.24 ; IC10.26@35.077,-2.323 35.827,-3.073 35.977,-3.073 35.989,-3.06 36.298,-3.06 v1(36.355,-3.003) ; v1(41.368,2.876) 41.368,2.835 41.874,2.328 IC8.26@41.874,2.24
ESC_SOA_A: IC1.10 IC7.23 | length 57.2
  Top Layer w0.15: IC1.10@54.425,7.4 54.425,9.498 v1(54.901,9.974)
  Mid Layer 2 w0.15: v1(15.957,1.759) 15.957,0.762 15.45,0.256 14.439,0.256 13.793,0.902 13.793,3.791 17.371,7.368 17.371,8.568 18.86,10.057 26.958,10.057 29.869,12.968 47.148,12.968 50.059,10.057 54.663,10.057 54.689,10.031 54.843,10.031 v1(54.901,9.974)
  Bottom Layer w0.15: v1(15.957,1.759) 16.014,1.701 16.178,1.701 16.643,1.236 IC7.23@16.748,1.236
ESC_SOA_B: IC1.17 IC8.23 | length 21.8
  Top Layer w0.15: v1(38.1,0.2) 38.6,0.2 40.55,-1.75 47.45,-1.75 50.571,1.371 50.571,2.618 52.228,4.275 52.275,4.275 IC1.17@52.45,4.45
  Bottom Layer w0.15: v1(38.1,0.2) 38.125,0.2 39.343,1.419 39.846,1.419 39.878,1.45 40.484,1.45 40.698,1.236 IC8.23@40.804,1.236
ESC_SOA_C: IC1.14 IC9.23 | length 50.1
  Top Layer w0.15: v1(51.059,5.474) 51.059,5.55 51.458,5.95 IC1.14@52.725,5.95
  Mid Layer 2 w0.15: v1(11.366,-2.182) 12.875,-0.673 33.239,-0.673 33.739,-1.172 36.564,-3.998 38.902,-3.998 40.82,-2.08 45.652,-2.08 48.624,0.892 48.624,2.821 50.749,4.946 50.754,4.946 51.001,5.193 51.001,5.417 v1(51.059,5.474)
  Bottom Layer w0.15: IC9.23@10.529,-1.257 10.529,-1.278 11.366,-2.114 v1(11.366,-2.182)
ESC_SOA_D: IC1.13 IC10.23 | length 21.6
  Top Layer w0.15: v1(50.51,5.303) 50.567,5.36 50.567,5.735 51.249,6.417 52.692,6.417 IC1.13@52.725,6.45
  Mid Layer 1 w0.15: v1(37.9,-1.5) 38.466,-1.5 40.108,0.143 40.108,2.507 42.301,4.7 49.907,4.7 v1(50.51,5.303)
  Bottom Layer w0.15: IC10.23@36.107,-1.231 36.213,-1.231 36.494,-1.512 37.888,-1.512 v1(37.9,-1.5)
ESC_SOB_A: IC1.9 IC7.22 | length 53.9
  Top Layer w0.15: IC1.9@54.925,7.4 54.925,8.989 v1(55.384,9.448)
  Mid Layer 2 w0.15: v1(15.514,1.392) 15.572,1.334 15.572,1.131 15.596,1.107 15.596,0.755 15.347,0.506 14.543,0.506 14.043,1.006 14.043,2.241 21.61,9.807 27.061,9.807 29.622,12.368 46.971,12.368 49.817,9.522 55.146,9.522 55.162,9.505 55.327,9.505 v1(55.384,9.448)
  Bottom Layer w0.15: v1(15.514,1.392) 15.595,1.392 15.817,1.17 16.001,1.17 16.108,1.063 16.238,1.063 IC7.22@16.419,0.882
ESC_SOB_B: IC1.18 IC8.22 | length 21.1
  Top Layer w0.15: v1(38.211,-0.364) 38.254,-0.407 38.661,-0.407 40.282,-2.028 47.772,-2.028 51.077,1.277 51.077,2.624 52.228,3.775 52.275,3.775 IC1.18@52.45,3.95
  Bottom Layer w0.15: v1(38.211,-0.364) 39.683,1.107 40.119,1.107 40.344,0.883 IC8.22@40.449,0.883
ESC_SOB_C: IC1.15 IC9.22 | length 49.7
  Top Layer w0.15: v1(51.616,5.332) 51.697,5.332 51.815,5.45 IC1.15@52.725,5.45
  Mid Layer 2 w0.15: v1(12.005,-2.198) 13.28,-0.923 32.689,-0.923 36.017,-4.25 39.156,-4.25 41.032,-2.374 45.905,-2.374 48.917,0.639 48.917,2.663 51.586,5.332 v1(51.616,5.332)
  Bottom Layer w0.15: IC9.22@10.873,-0.846 11.948,-1.921 11.948,-2.14 v1(12.005,-2.198)
ESC_SOB_D: IC1.11 IC10.22 | length 22.4
  Mid Layer 1 w0.15: v1(37.319,-1.087) 37.319,-0.525 37.166,-0.371 37.166,0.311 41.637,4.782 41.676,4.782 41.925,5.031 41.925,5.07 42.055,5.2 48.632,5.2 50.584,7.152 50.584,7.161 51.248,7.825 51.266,7.825 51.441,8 v1(53.9,8)
  Bottom Layer w0.15: IC10.22@36.436,-0.878 36.617,-1.058 36.747,-1.058 36.781,-1.092 37.314,-1.092 v1(37.319,-1.087)
ESC_SOC_A: IC1.8 IC7.21 | length 51.6
  Top Layer w0.15: IC1.8@55.425,7.4 55.425,8.659 v1(55.847,9.08)
  Mid Layer 2 w0.15: v1(15.171,0.931) 15.113,0.873 14.907,0.873 14.894,0.86 14.542,0.86 14.293,1.109 14.293,1.933 21.918,9.557 27.165,9.557 29.476,11.868 46.91,11.868 49.507,9.272 54.96,9.272 55.208,9.023 55.79,9.023 v1(55.847,9.08)
  Bottom Layer w0.15: v1(15.171,0.931) 15.233,0.931 15.454,0.71 15.885,0.71 IC7.21@16.065,0.529
ESC_SOC_B: IC1.19 IC8.21 | length 20.1
  Top Layer w0.15: v1(38.509,-0.856) 38.59,-0.856 38.699,-0.965 38.736,-0.965 39.093,-1.323 39.103,-1.323 39.352,-1.572 39.352,-1.582 40.086,-2.316 48.245,-2.316 51.327,0.766 51.327,2.327 IC1.19@52.45,3.45
  Bottom Layer w0.15: v1(38.509,-0.856) 39.942,0.577 40.073,0.577 IC8.21@40.121,0.529
ESC_SOC_C: IC1.16 IC9.21 | length 49
  Top Layer w0.15: v1(52.131,4.907) 52.153,4.928 52.703,4.928 IC1.16@52.725,4.95
  Mid Layer 2 w0.15: v1(13.1,-2.048) 13.975,-1.173 32.239,-1.173 35.567,-4.5 39.494,-4.5 41.294,-2.7 46.1,-2.7 49.295,0.495 49.295,2.639 51.562,4.907 v1(52.131,4.907)
  Bottom Layer w0.15: IC9.21@11.227,-0.55 11.283,-0.55 12.724,-1.99 13.043,-1.99 v1(13.1,-2.048)
ESC_SOC_D: IC1.12 IC10.21 | length 19.9
  Mid Layer 1 w0.15: v1(37.591,-0.067) 37.631,-0.027 37.631,0.422 41.741,4.532 41.78,4.532 42.198,4.95 48.735,4.95 50.834,7.048 50.834,7.057 51.082,7.306 51.091,7.306 51.36,7.575 53.065,7.575 v1(53.1,7.54)
  Bottom Layer w0.15: IC10.21@36.97,-0.705 37.019,-0.705 37.231,-0.493 37.231,-0.426 v1(37.591,-0.067)